# Allegro board pc051b_toplevel_177.brd (continued)
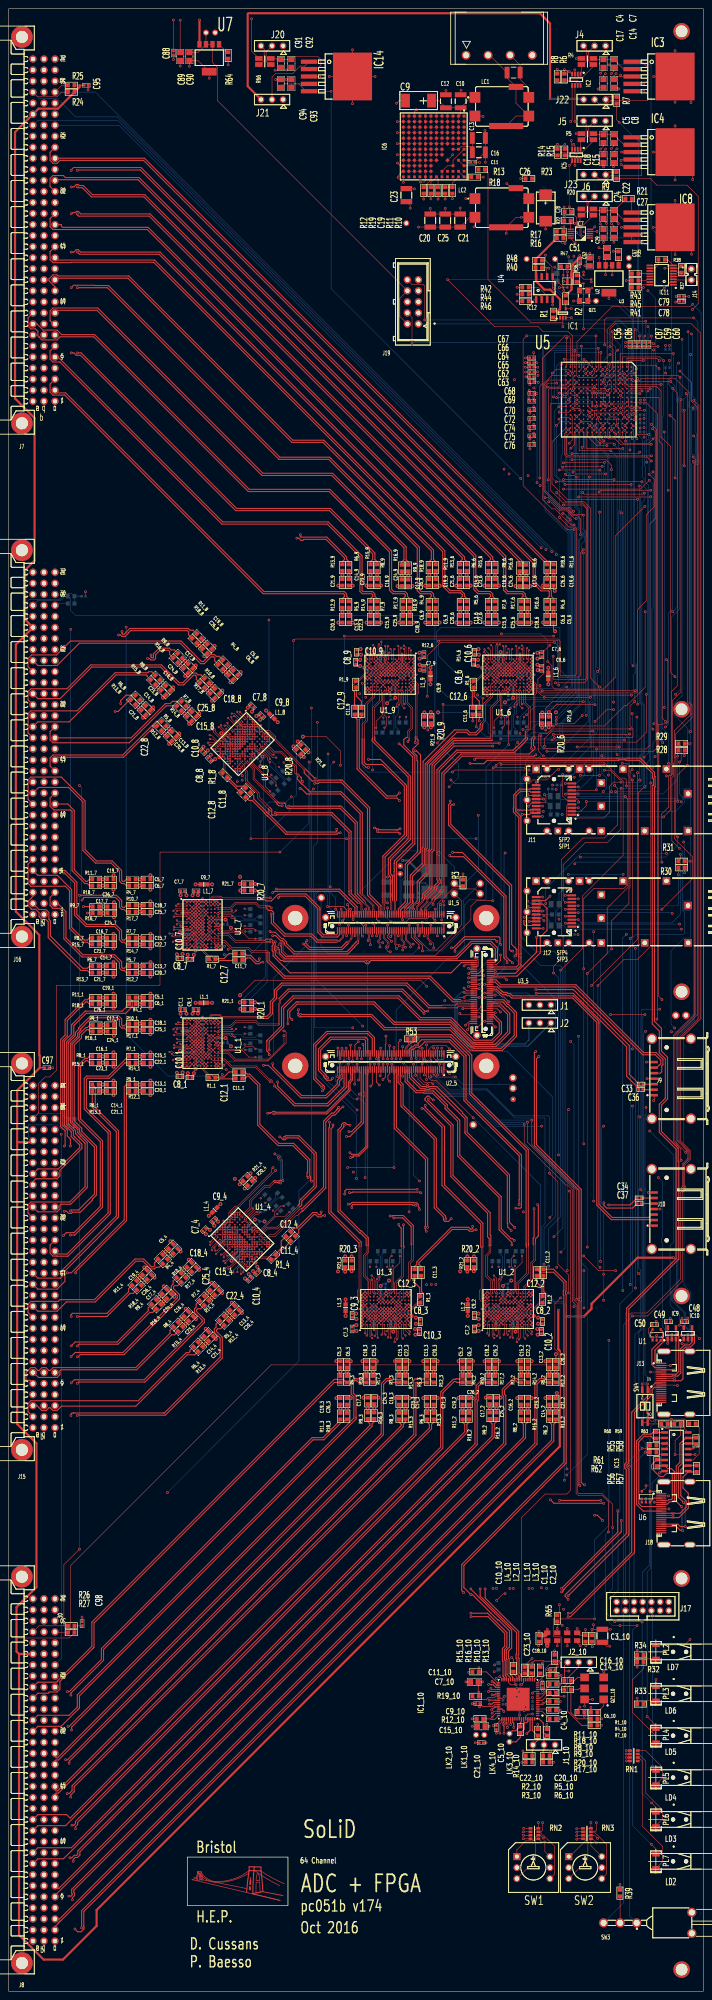
[diagram p0: board, top side]
## Routing (per net, layer and track width the routed paths; a pad name or vN(x,y) marks a point on that pad's centre or on a via; arc(x,y) is an arc through that point) (continued)
TRIG_IN_N: length 14.7
  TOP w0.25: J13.6 153.75,142 154.35,142.6 154.35,150.68 153.7,151.33 IC9.4
TRIG_IN_P: length 10.3
  TOP w0.25: IC9.3 153.7,143.36 153.45,143.11 152.88,143.11 152.78,143 J13.4
UNNAMED_1_LTM9007_I6_DCOA_1: length 11.2
  TOP w0.13: U1_1.G7 v2(46.25,218.95)
  L3 w0.13: v2(46.25,218.95) 46.7,218.5 47.23,218.5 49.38,220.65 54.05,220.65 v2(54.35,220.35)
  BOTTOM w0.13: R23_1.2 54.4,220.3 v2(54.35,220.35)
UNNAMED_1_LTM9007_I6_DCOA_1_1: length 10.4
  TOP w0.13: U1_1.G8 v2(47.05,218.95)
  L3 w0.13: v2(47.05,218.95) 49.1,221 53.51,221 v2(54.35,221.85)
  BOTTOM w0.13: v2(54.35,221.85) 54.4,221.8 R23_1.1
UNNAMED_1_LTM9007_I6_DCOA_1_2: length 10.4
  TOP w0.13: U1_2.G8 v2(114.25,159.4)
  L3 w0.13: v2(111.35,166.7) 112.19,165.85 112.19,161.46 v2(114.25,159.4)
  BOTTOM w0.13: R23_2.1 111.4,166.75 v2(111.35,166.7)
UNNAMED_1_LTM9007_I6_DCOA_1_3: length 10.4
  TOP w0.13: U1_3.G8 v2(86.1,159.4)
  L3 w0.13: v2(86.1,159.4) 84.05,161.46 84.05,165.85 v2(83.2,166.7)
  BOTTOM w0.13: R23_3.1 83.25,166.75 v2(83.2,166.7)
UNNAMED_1_LTM9007_I6_DCOA_1_4: length 10.4
  TOP w0.13: U1_4.G8 v2(54.93,175.26)
  L3 w0.13: v2(58.04,182.48) 58.04,181.28 54.93,178.17 v2(54.93,175.26)
  BOTTOM w0.13: v2(58.04,182.48) 58.93,183.36 R23_4.1
UNNAMED_1_LTM9007_I6_DCOA_1_6: length 10.4
  TOP w0.13: U1_6.G8 v2(115.8,300.55)
  L3 w0.13: v2(118.7,293.25) 117.86,294.1 117.86,298.5 v2(115.8,300.55)
  BOTTOM w0.13: v2(118.7,293.25) 118.65,293.2 R23_6.1
UNNAMED_1_LTM9007_I6_DCOA_1_7: length 10.4
  TOP w0.13: U1_7.G8 v2(47.05,246.2)
  L3 w0.13: v2(47.05,246.2) 49.1,248.25 53.51,248.25 v2(54.35,249.1)
  BOTTOM w0.13: R23_7.1 54.4,249.05 v2(54.35,249.1)
UNNAMED_1_LTM9007_I6_DCOA_1_8: length 10.4
  TOP w0.13: U1_8.G8 v2(56.11,285.87)
  L3 w0.13: v2(63.33,282.76) 62.13,282.76 59.02,285.87 v2(56.11,285.87)
  BOTTOM w0.13: v2(63.33,282.76) 63.33,282.69 R23_8.1
UNNAMED_1_LTM9007_I6_DCOA_1_9: length 10.4
  TOP w0.13: U1_9.G8 v2(88.65,300.55)
  L3 w0.13: v2(88.65,300.55) 90.7,298.5 90.7,294.1 v2(91.55,293.25)
  BOTTOM w0.13: v2(91.55,293.25) 91.5,293.2 R23_9.1
UNNAMED_1_LTM9007_I6_DCOA_2: length 11.2
  TOP w0.13: U1_2.G7 v2(114.25,158.6)
  L3 w0.13: v2(112.85,166.7) 112.55,166.4 112.55,161.73 114.69,159.58 114.69,159.04 v2(114.25,158.6)
  BOTTOM w0.13: R23_2.2 112.9,166.75 v2(112.85,166.7)
UNNAMED_1_LTM9007_I6_DCOA_3: length 11.2
  TOP w0.13: U1_3.G7 v2(86.1,158.6)
  L3 w0.13: v2(86.1,158.6) 86.55,159.04 86.55,159.58 84.4,161.73 84.4,166.4 v2(84.7,166.7)
  BOTTOM w0.13: v2(84.7,166.7) 84.75,166.75 R23_3.2
UNNAMED_1_LTM9007_I6_DCOA_4: length 11.2
  TOP w0.13: U1_4.G7 v2(54.37,174.7)
  L3 w0.13: v2(54.37,174.7) 54.99,174.7 55.38,175.08 55.38,178.11 58.68,181.41 v2(59.1,181.41)
  BOTTOM w0.13: R23_4.2 59.17,181.41 v2(59.1,181.41)
UNNAMED_1_LTM9007_I6_DCOA_6: length 11.2
  TOP w0.13: U1_6.G7 v2(115.8,301.35)
  L3 w0.13: v2(115.8,301.35) 115.36,300.9 115.36,300.37 117.5,298.22 117.5,293.55 v2(117.2,293.25)
  BOTTOM w0.13: R23_6.2 117.15,293.2 v2(117.2,293.25)
UNNAMED_1_LTM9007_I6_DCOA_7: length 11.2
  TOP w0.13: U1_7.G7 v2(46.25,246.2)
  L3 w0.13: v2(46.25,246.2) 46.7,245.75 47.23,245.75 49.38,247.9 54.05,247.9 v2(54.35,247.6)
  BOTTOM w0.13: R23_7.2 54.4,247.55 v2(54.35,247.6)
UNNAMED_1_LTM9007_I6_DCOA_8: length 11.2
  TOP w0.13: U1_8.G7 v2(55.55,286.43)
  L3 w0.13: v2(55.55,286.43) 55.55,285.81 55.93,285.42 58.96,285.42 62.26,282.12 v2(62.26,281.7)
  BOTTOM w0.13: v2(62.26,281.7) 62.66,281.3 62.66,281.23 R23_8.2
UNNAMED_1_LTM9007_I6_DCOA_9: length 11.2
  TOP w0.13: U1_9.G7 v2(88.65,301.35)
  L3 w0.13: v2(88.65,301.35) 88.2,300.9 88.2,300.37 90.35,298.22 90.35,293.55 v2(90.05,293.25)
  BOTTOM w0.13: v2(90.05,293.25) 90,293.2 R23_9.2
UNNAMED_1_LTM9007_I6_DCOB_1: length 11.6
  TOP w0.13: U1_1.F9 47.85,219.75 48.51,219.75 49.21,220.45 51.25,220.45 v2(51.55,220.15)
  BOTTOM w0.13: R25_1.2 57.26,220 56.7,219.45 54.25,219.45 53.55,220.15 v2(51.55,220.15)
UNNAMED_1_LTM9007_I6_DCOB_1_1: length 10.6
  TOP w0.13: v2(52.05,219.65) 51.35,219.65 50.93,220.07 49.37,220.07 48.65,219.35 U1_1.F10
  BOTTOM w0.13: R25_1.1 57.9,218.5 57.35,219.05 52.65,219.05 v2(52.05,219.65)
UNNAMED_1_LTM9007_I6_DCOB_1_2: length 10.6
  TOP w0.13: U1_2.F10 113.85,161 113.13,161.72 113.13,163.28 113.55,163.7 v2(113.55,164.4)
  BOTTOM w0.13: v2(113.55,164.4) 114.15,165 114.15,169.7 114.7,170.25 R25_2.1
UNNAMED_1_LTM9007_I6_DCOB_1_3: length 10.6
  TOP w0.13: U1_3.F10 85.7,161 84.98,161.72 84.98,163.28 85.4,163.7 v2(85.4,164.4)
  BOTTOM w0.13: R25_3.1 86.55,170.25 86,169.7 86,165 v2(85.4,164.4)
UNNAMED_1_LTM9007_I6_DCOB_1_4: length 10.6
  TOP w0.13: v2(57.97,179.29) 57.48,178.8 56.88,178.8 55.78,177.69 55.78,176.67 U1_4.F10
  BOTTOM w0.13: v2(57.97,179.29) 58.82,179.29 62.18,182.65 62.96,182.65
UNNAMED_1_LTM9007_I6_DCOB_1_6: length 10.6
  TOP w0.13: v2(116.5,295.55) 116.5,296.25 116.92,296.67 116.92,298.24 116.2,298.95 U1_6.F10
  BOTTOM w0.13: v2(116.5,295.55) 116.5,294.05 115.9,293.45 115.9,290.25 115.35,289.7 R25_6.1
UNNAMED_1_LTM9007_I6_DCOB_1_7: length 10.6
  TOP w0.13: U1_7.F10 48.65,246.6 49.37,247.32 50.93,247.32 51.35,246.9 v2(52.05,246.9)
  BOTTOM w0.13: v2(52.05,246.9) 52.65,246.3 57.35,246.3 57.9,245.75 R25_7.1
UNNAMED_1_LTM9007_I6_DCOB_1_8: length 10.6
  TOP w0.13: U1_8.F10 57.52,285.02 58.54,285.02 59.65,283.92 59.65,283.32 v2(60.14,282.83)
  BOTTOM w0.13: v2(60.14,282.83) 60.14,281.98 63.5,278.62 63.5,277.84
UNNAMED_1_LTM9007_I6_DCOB_1_9: length 10.6
  TOP w0.13: v2(89.35,295.55) 89.35,296.25 89.77,296.67 89.77,298.24 89.05,298.95 U1_9.F10
  BOTTOM w0.13: R25_9.1 88.2,289.7 88.75,290.25 88.75,294.95 v2(89.35,295.55)
UNNAMED_1_LTM9007_I6_DCOB_2: length 11.6
  TOP w0.13: v2(113.05,163.9) 112.75,163.6 112.75,161.56 113.45,160.86 113.45,160.2 U1_2.F9
  BOTTOM w0.13: R25_2.2 113.2,169.6 113.75,169.06 113.75,166.6 113.05,165.9 v2(113.05,163.9)
UNNAMED_1_LTM9007_I6_DCOB_3: length 11.6
  TOP w0.13: v2(84.9,163.9) 84.6,163.6 84.6,161.56 85.3,160.86 85.3,160.2 U1_3.F9
  BOTTOM w0.13: R25_3.2 85.05,169.6 85.6,169.06 85.6,166.6 84.9,165.9 v2(84.9,163.9)
UNNAMED_1_LTM9007_I6_DCOB_4: length 11.6
  TOP w0.13: v2(57.26,179.29) 56.84,179.29 55.4,177.85 55.4,176.86 54.93,176.39 U1_4.F9
  BOTTOM w0.13: v2(57.26,179.29) 58.68,180.71 59.67,180.71 61.4,182.44 61.4,183.22 R25_4.2
UNNAMED_1_LTM9007_I6_DCOB_6: length 11.6
  TOP w0.13: U1_6.F9 116.6,299.75 116.6,299.09 117.3,298.39 117.3,296.35 v2(117,296.05)
  BOTTOM w0.13: R25_6.2 116.85,290.35 116.3,290.89 116.3,293.35 117,294.05 v2(117,296.05)
UNNAMED_1_LTM9007_I6_DCOB_7: length 11.6
  TOP w0.13: U1_7.F9 47.85,247 48.51,247 49.21,247.7 51.25,247.7 v2(51.55,247.4)
  BOTTOM w0.13: v2(51.55,247.4) 53.55,247.4 54.25,246.7 56.7,246.7 57.26,247.25 R25_7.2
UNNAMED_1_LTM9007_I6_DCOB_8: length 11.6
  TOP w0.13: v2(60.14,283.54) 60.14,283.96 58.7,285.4 57.71,285.4 57.24,285.87 U1_8.F9
  BOTTOM w0.13: v2(60.14,283.54) 61.56,282.12 61.56,281.13 63.78,278.9 R25_8.2
UNNAMED_1_LTM9007_I6_DCOB_9: length 11.6
  TOP w0.13: v2(89.85,296.05) 90.15,296.35 90.15,298.39 89.45,299.09 89.45,299.75 U1_9.F9
  BOTTOM w0.13: v2(89.85,296.05) 89.85,294.05 89.15,293.35 89.15,290.89 89.7,290.35 R25_9.2
UNNAMED_1_LTM9007_I6_FRA_1: length 10.5
  TOP w0.13: U1_1.H7 v2(46.25,217.35)
  L3 w0.13: v2(54.5,216.6) 54.19,216.29 48.58,216.29 47.51,217.35 v2(46.25,217.35)
  BOTTOM w0.13: v2(54.5,216.6) R22_1.1
UNNAMED_1_LTM9007_I6_FRA_1_1: length 11.1
  TOP w0.13: U1_1.H8 v2(46.25,218.15)
  L3 w0.13: v2(46.25,218.15) 46.67,217.73 47.67,217.73 48.45,216.95 50.65,216.95 50.85,216.75 53.25,216.75 v2(54.35,217.85)
  BOTTOM w0.13: v2(54.35,217.85) 55.4,217.85 R22_1.2
UNNAMED_1_LTM9007_I6_FRA_1_2: length 11.1
  TOP w0.13: U1_2.H8 v2(115.05,158.6)
  L3 w0.13: v2(115.05,158.6) 115.47,159.02 115.47,160.02 116.45,161 116.45,165.6 v2(115.35,166.7)
  BOTTOM w0.13: v2(115.35,166.7) 115.35,167.75 R22_2.2
UNNAMED_1_LTM9007_I6_FRA_1_3: length 11.1
  TOP w0.13: U1_3.H8 v2(86.9,158.6)
  L3 w0.13: v2(87.2,166.7) 88.3,165.6 88.3,161 87.32,160.02 87.32,159.02 v2(86.9,158.6)
  BOTTOM w0.13: v2(87.2,166.7) 87.2,167.75 R22_3.2
UNNAMED_1_LTM9007_I6_FRA_1_4: length 11.1
  TOP w0.13: U1_4.H8 v2(54.93,174.13)
  L3 w0.13: v2(54.93,174.13) 55.53,174.13 56.23,174.84 57.62,174.84 60.87,178.09 v2(60.87,179.65)
  BOTTOM w0.13: R22_4.2 61.61,180.39 v2(60.87,179.65)
UNNAMED_1_LTM9007_I6_FRA_1_6: length 11.1
  TOP w0.13: U1_6.H8 v2(115,301.35)
  L3 w0.13: v2(115,301.35) 114.58,300.93 114.58,299.93 113.6,298.95 113.6,294.35 v2(114.7,293.25)
  BOTTOM w0.13: v2(114.7,293.25) 114.7,292.2 R22_6.2
UNNAMED_1_LTM9007_I6_FRA_1_7: length 11.1
  TOP w0.13: U1_7.H8 v2(46.25,245.4)
  L3 w0.13: v2(54.35,245.1) 53.25,244 48.65,244 47.67,244.98 46.67,244.98 v2(46.25,245.4)
  BOTTOM w0.13: v2(54.35,245.1) 55.4,245.1 R22_7.2
UNNAMED_1_LTM9007_I6_FRA_1_8: length 11.1
  TOP w0.13: U1_8.H8 v2(54.98,285.87)
  L3 w0.13: v2(60.5,279.93) 58.94,279.93 55.69,283.18 55.69,284.57 54.98,285.27 v2(54.98,285.87)
  BOTTOM w0.13: R22_8.2 61.24,279.19 v2(60.5,279.93)
UNNAMED_1_LTM9007_I6_FRA_1_9: length 11.1
  TOP w0.13: U1_9.H8 v2(87.85,301.35)
  L3 w0.13: v2(87.85,301.35) 87.43,300.93 87.43,299.93 86.45,298.95 86.45,294.35 v2(87.55,293.25)
  BOTTOM w0.13: v2(87.55,293.25) 87.55,292.2 R22_9.2
UNNAMED_1_LTM9007_I6_FRA_2: length 10.5
  TOP w0.13: U1_2.H7 v2(115.85,158.6)
  L3 w0.13: v2(115.85,158.6) 115.85,159.86 116.91,160.93 116.91,166.54 v2(116.6,166.85)
  BOTTOM w0.13: v2(116.6,166.85) R22_2.1
UNNAMED_1_LTM9007_I6_FRA_3: length 10.5
  TOP w0.13: U1_3.H7 v2(87.7,158.6)
  L3 w0.13: v2(88.45,166.85) 88.76,166.54 88.76,160.93 87.7,159.86 v2(87.7,158.6)
  BOTTOM w0.13: v2(88.45,166.85) R22_3.1
UNNAMED_1_LTM9007_I6_FRA_4: length 10.5
  TOP w0.13: U1_4.H7 v2(55.5,173.57)
  L3 w0.13: v2(61.86,178.87) 61.86,178.42 57.9,174.46 56.39,174.46 v2(55.5,173.57)
  BOTTOM w0.13: v2(61.86,178.87) R22_4.1
UNNAMED_1_LTM9007_I6_FRA_6: length 10.5
  TOP w0.13: U1_6.H7 v2(114.2,301.35)
  L3 w0.13: v2(114.2,301.35) 114.2,300.09 113.14,299.02 113.14,293.41 v2(113.45,293.1)
  BOTTOM w0.13: v2(113.45,293.1) R22_6.1
UNNAMED_1_LTM9007_I6_FRA_7: length 10.5
  TOP w0.13: U1_7.H7 v2(46.25,244.6)
  L3 w0.13: v2(54.5,243.85) 54.19,243.54 48.58,243.54 47.51,244.6 v2(46.25,244.6)
  BOTTOM w0.13: v2(54.5,243.85) R22_7.1
UNNAMED_1_LTM9007_I6_FRA_8: length 10.5
  TOP w0.13: U1_8.H7 v2(54.42,285.3)
  L3 w0.13: v2(54.42,285.3) 55.31,284.41 55.31,282.9 59.27,278.94 v2(59.72,278.94)
  BOTTOM w0.13: v2(59.72,278.94) R22_8.1
UNNAMED_1_LTM9007_I6_FRA_9: length 10.5
  TOP w0.13: U1_9.H7 v2(87.05,301.35)
  L3 w0.13: v2(87.05,301.35) 87.05,300.09 85.99,299.02 85.99,293.41 v2(86.3,293.1)
  BOTTOM w0.13: v2(86.3,293.1) R22_9.1
UNNAMED_1_LTM9007_I6_FRB_1: length 11.6
  TOP w0.13: v2(56.85,216.85) 56.35,217.35 54.45,217.35 53.85,216.75 49.01,216.75 48.41,217.34 47.84,217.34 U1_1.J9
  BOTTOM w0.13: R24_1.1 57.5,216.85 v2(56.85,216.85)
UNNAMED_1_LTM9007_I6_FRB_1_1: length 10.5
  TOP w0.13: U1_1.J10 48.75,216.45 53.85,216.45 55.35,214.95 v2(56.85,214.95)
  BOTTOM w0.13: R24_1.2 57.9,214.95 v2(56.85,214.95)
UNNAMED_1_LTM9007_I6_FRB_1_2: length 10.5
  TOP w0.13: v2(118.25,169.2) 118.25,167.7 116.75,166.2 116.75,161.1 U1_2.J10
  BOTTOM w0.13: v2(118.25,169.2) 118.25,170.25 R24_2.2
UNNAMED_1_LTM9007_I6_FRB_1_3: length 10.5
  TOP w0.13: U1_3.J10 88.6,161.1 88.6,166.2 90.1,167.7 v2(90.1,169.2)
  BOTTOM w0.13: R24_3.2 90.1,170.25 v2(90.1,169.2)
UNNAMED_1_LTM9007_I6_FRB_1_4: length 10.5
  TOP w0.13: v2(64.69,179.36) 63.63,178.3 61.51,178.3 57.9,174.7 U1_4.J10
  BOTTOM w0.13: v2(64.69,179.36) 65.43,180.11 R24_4.2
UNNAMED_1_LTM9007_I6_FRB_1_6: length 10.5
  TOP w0.13: U1_6.J10 113.3,298.85 113.3,293.75 111.8,292.25 v2(111.8,290.75)
  BOTTOM w0.13: v2(111.8,290.75) 111.8,289.7 R24_6.2
UNNAMED_1_LTM9007_I6_FRB_1_7: length 10.5
  TOP w0.13: v2(56.85,242.2) 55.35,242.2 53.85,243.7 48.75,243.7 U1_7.J10
  BOTTOM w0.13: v2(56.85,242.2) 57.9,242.2 R24_7.2
UNNAMED_1_LTM9007_I6_FRB_1_8: length 10.5
  TOP w0.13: U1_8.J10 55.55,282.9 59.15,279.29 59.15,277.17 v2(60.21,276.11)
  BOTTOM w0.13: v2(60.21,276.11) 60.96,275.37
  BOTTOM w0.25: R24_8.2 60.96,275.37
UNNAMED_1_LTM9007_I6_FRB_1_9: length 10.5
  TOP w0.13: U1_9.J10 86.15,298.85 86.15,293.75 84.65,292.25 v2(84.65,290.75)
  BOTTOM w0.13: R24_9.2 84.65,289.7 v2(84.65,290.75)
UNNAMED_1_LTM9007_I6_FRB_2: length 11.6
  TOP w0.13: U1_2.J9 115.86,160.19 115.86,160.76 116.45,161.36 116.45,166.2 115.85,166.8 115.85,168.7 v2(116.35,169.2)
  BOTTOM w0.13: v2(116.35,169.2) 116.35,169.85 R24_2.1
UNNAMED_1_LTM9007_I6_FRB_3: length 11.6
  TOP w0.13: v2(88.2,169.2) 87.7,168.7 87.7,166.8 88.3,166.2 88.3,161.36 87.7,160.76 87.7,160.19 U1_3.J9
  BOTTOM w0.13: R24_3.1 88.2,169.85 v2(88.2,169.2)
UNNAMED_1_LTM9007_I6_FRB_4: length 11.6
  TOP w0.13: v2(63.35,180.71) 62.64,180.71 61.3,179.36 61.3,178.52 57.87,175.09 57.03,175.09 56.63,174.69 U1_4.J9
  BOTTOM w0.13: v2(63.35,180.71) 63.81,181.17 R24_4.1
UNNAMED_1_LTM9007_I6_FRB_6: length 11.6
  TOP w0.13: U1_6.J9 114.19,299.75 114.19,299.19 113.6,298.59 113.6,293.75 114.2,293.15 114.2,291.25 v2(113.7,290.75)
  BOTTOM w0.13: R24_6.1 113.7,290.1 v2(113.7,290.75)
UNNAMED_1_LTM9007_I6_FRB_7: length 11.6
  TOP w0.13: U1_7.J9 47.84,244.59 48.41,244.59 49.01,244 53.85,244 54.45,244.6 56.35,244.6 v2(56.85,244.1)
  BOTTOM w0.13: R24_7.1 57.5,244.1 v2(56.85,244.1)
UNNAMED_1_LTM9007_I6_FRB_8: length 11.6
  TOP w0.13: v2(61.56,277.45) 61.56,278.16 60.21,279.5 59.37,279.5 55.94,282.93 55.94,283.77 55.54,284.17 U1_8.J9
  BOTTOM w0.13: v2(61.56,277.45) 62.02,276.99 R24_8.1
UNNAMED_1_LTM9007_I6_FRB_9: length 11.6
  TOP w0.13: v2(86.55,290.75) 87.05,291.25 87.05,293.15 86.45,293.75 86.45,298.59 87.05,299.19 87.05,299.75 U1_9.J9
  BOTTOM w0.13: v2(86.55,290.75) 86.55,290.1 R24_9.1
UNNAMED_2_CAPCERSMDCL2_I261_B: length 16.5
  TOP w0.13: IC14.2 69.35,442.45 71.16,442.45 71.9,443.19 71.9,444.5 71.25,445.15 65.85,445.15 65.2,444.5 C92.2 C91.2 61.81,444.5 61.56,444.75 R66.2
UNNAMED_2_CON3P_I232_A: length 17.7
  TOP w0.18: U3_5.31 v1(109.62,229.7)
  BOTTOM w0.13: J1.1 123.91,227.94 121.36,227.94 119.6,229.7 v1(109.62,229.7)
UNNAMED_2_CON3P_I232_A_1: length 9.9
  TOP w0.18: U3_5.33 v1(112.08,229.2)
  BOTTOM w0.13: J1.3 117.57,229.2 v1(112.08,229.2)
UNNAMED_2_CON3P_I258_A: length 5.3
  TOP w0.13: R66.3 57.92,443.35 58.85,444.28 58.85,446.92 J20.3
UNNAMED_2_CON3P_I258_A_1: length 5.5
  TOP w0.13: R66.4 60.08,443.35 59.31,444.12 59.31,446.3 J20.2
UNNAMED_2_CON3P_I274_A: length 15.2
  TOP w0.13: J21.2 60.66,440.46 61.45,441.25 65.4,441.25 67.14,442.99 68.19,442.99 IC14.1
UNNAMED_3_CAPCERSMDCL1_I104_A: length 5.4
  TOP w0.13: C19.1 98.9,417.15 IC6.F12 97.25,416.23 R19.2
UNNAMED_3_CAPCERSMDCL2_I44_B_10: length 17.8
  TOP w0.17: 130.16,71.36 128.75,69.95 128.75,64.43 131.98,61.2 R7_10.2 ; 130.16,71.36 130.02,71.5 C16_10.2 ; 130.16,71.36 131.04,72.24 QZ1_10.4
UNNAMED_3_CAPCERSMDCL2_I45_B_10: length 13.7
  TOP w0.17: R4_10.2 130.95,62.7 129.5,64.15 C14_10.2 131.14,69.4 131.44,69.7 QZ1_10.5
UNNAMED_3_CAPCERSMDCL2_I57_B: length 9.9
  TOP w0.13: R5.2 134.93,427.2 C5.2 C8.2 141.7,424.9 IC4.2
UNNAMED_3_CAPCERSMDCL2_I119_<0>: length 48.5
  TOP w0.13: IC6.B5 104.12,426.4 ; IC6.B5 103.11,426.4 ; IC6.B5 103.61,426.91 ; IC6.B5 103.61,425.9 ; IC6.C2 102.34,430.72 ; IC6.C2 102.34,429.71 ; IC6.C2 101.84,430.21 ; IC6.C2 102.85,430.21 ; IC6.A3 104.89,429.45 ; IC6.A3 104.38,428.94 ; IC6.A3 104.89,428.44 ; IC6.A3 105.39,428.94 ; IC6.C3 102.85,428.94 ; IC6.C3 102.34,429.45 ; IC6.C3 102.34,428.44 ; IC6.C3 101.84,428.94 ; 103.11,431.49 IC6.B1 ; IC6.B1 104.12,431.49 ; IC6.B1 103.61,431.99 ; IC6.B1 104.1,431.97 C10.2 ; IC6.B1 103.61,430.98 ; IC6.B3 103.11,428.94 ; IC6.B3 104.12,428.94 ; IC6.B3 103.61,428.44 ; IC6.B3 103.61,429.45 ; IC6.C1 102.34,431.99 ; IC6.C1 101.84,431.49 ; IC6.C1 102.85,431.49 ; IC6.C1 102.34,430.98 ; IC6.A1 104.38,431.49 ; IC6.A1 104.89,430.98 ; IC6.A1 105.39,431.49 ; IC6.A1 104.89,431.99 ; IC6.B2 103.61,430.72 ; IC6.B2 104.12,430.21 ; IC6.B2 103.61,429.71 ; IC6.B2 103.11,430.21 ; IC6.B6 103.11,425.13 ; IC6.B6 104.12,425.13 ; IC6.B6 103.61,425.64 ; IC6.A4 105.39,427.68 ; IC6.A4 104.38,427.68 ; IC6.A4 104.89,428.18 ; IC6.A4 104.89,427.17 ; 103.61,427.17 IC6.B4 ; IC6.B4 103.61,428.18 ; IC6.B4 103.11,427.68 ; IC6.B4 104.12,427.68 ; IC6.C4 101.84,427.68 ; IC6.C4 102.34,427.17 ; IC6.C4 102.34,428.18 ; IC6.C4 102.85,427.68 ; IC6.C6 102.85,425.13 ; IC6.C6 101.84,425.13 ; IC6.C6 102.34,425.64 ; IC6.A6 105.39,425.13 ; IC6.A6 104.89,425.64 ; IC6.A6 104.38,425.13 ; C10.2 106.5,435.8 LC1.1 ; C10.2 C12.2 99.05,435.05 C9.1 ; IC6.A5 104.89,426.91 ; IC6.A5 104.38,426.4 ; IC6.A5 104.89,425.9 ; IC6.A5 105.39,426.4 ; IC6.A2 105.39,430.21 ; IC6.A2 104.89,430.72 ; IC6.A2 104.89,429.71 ; IC6.A2 104.38,430.21 ; IC6.C5 102.34,426.91 ; IC6.C5 102.34,425.9 ; IC6.C5 101.84,426.4 ; IC6.C5 102.85,426.4
UNNAMED_3_CAPCERSMDCL2_I122_B: length 1.7
  TOP w0.13: IC6.A9 106.03,421.32 C11.2
UNNAMED_3_CAPCERSMDCL2_I125_<0>: length 8
  TOP w0.13: 106.8,424.5 104.25,424.5 IC6.B7 IC6.C7 ; 106.8,424.5 C13.2 ; 106.8,424.5 C16.2
UNNAMED_3_CAPCERSMDCL2_I133_B: length 11.5
  TOP w0.13: LC1.2 119.8,437.92 117.8,439.92 C6.2 117.8,443.21 J3.3
UNNAMED_3_CAPCERSMDCL2_I134_B: length 9.8
  TOP w0.13: R4.2 134.93,444.5 C4.2 C7.2 141.6,442.3 IC3.2
UNNAMED_3_CON3P_I83_A: length 13.4
  TOP w0.13: IC7.2 132.1,403.95 131.85,404.2 131.85,405.88 R20.4 134.38,408.7 133.46,409.62 133.46,411.5 J6.2
UNNAMED_3_CON3P_I83_A_1: length 12.6
  TOP w0.13: IC7.1 132.23,403.45 131.59,404.09 131.59,408.37 R20.3 132.22,408.7 133.2,409.68 133.2,412.22 J6.3
UNNAMED_3_CON3P_I173_A: length 2.8
  TOP w0.13: J22.1 138.1,435.9 R7.2
UNNAMED_3_CON3P_I174_A: length 21.9
  TOP w0.13: J23.2 135.95,417.01 137.91,417.01 138.65,417.75 145.72,417.75 145.77,417.8 145.77,425.3 144.47,426.6 IC4.1
UNNAMED_3_CON3P_I174_A_1: length 2.7
  TOP w0.13: R9.2 138.1,418.6 J23.1
UNNAMED_3_INA219_I143_A0: length 5.7
  TOP w0.13: IC2.7 131.07,438.95 130.57,439.45 128.92,439.45 128.58,439.11 126.99,439.11 R8.2
UNNAMED_3_INA219_I143_A1: length 4.5
  TOP w0.13: R6.2 130.92,439.75 131.72,438.95 IC2.8
UNNAMED_3_INA219_I148_A0: length 3.7
  TOP w0.13: IC5.7 131.07,421.65 130.27,422.45 R15.1
UNNAMED_3_INA219_I148_A1: length 6.6
  TOP w0.13: R14.2 126.65,422.45 127.3,423.1 130.27,423.1 131.72,421.65 IC5.8
UNNAMED_3_LT1764A_I84_IN: length 13.6
  TOP w0.13: R20.2 135.03,409.75 C24.2 C22.2 ; C22.2 142.05,412.35 R21.1 ; C22.2 141.6,407.6 IC8.2
UNNAMED_3_LT1764A_I84_SHDN: length 3.2
  TOP w0.13: R21.2 143.5,412.4 IC8.1
UNNAMED_3_LT1764A_I92_SHDN: length 24.7
  TOP w0.13: J22.2 135.95,434.31 137.91,434.31 138.65,435.05 147.07,435.05 147.12,435.1 147.12,442.73 145.85,444 IC3.1
UNNAMED_3_LTC2990_I147_ADR0: length 2
  TOP w0.13: R17.1 128.25,404.45 IC7.8
UNNAMED_3_LTC2990_I147_ADR1: length 2
  TOP w0.13: R16.1 128.3,403.95 IC7.9
UNNAMED_3_LTM4606_I115_DRVCC<0>: length 9.2
  TOP w0.13: IC6.A7 102.34,421.32 IC6.C10 101.08,420.06 IC6.E11 IC6.E12
UNNAMED_3_LTM4606_I115_FSET: length 4.6
  TOP w0.13: R11.1 R10.2 102.2,416.1 IC6.B12
UNNAMED_3_LTM4606_I115_MPGM1: length 3.5
  TOP w0.13: IC6.B11 IC6.A12 104.95,417.45 R18.2
UNNAMED_3_LTM4606_I115_PGOOD: length 3.1
  TOP w0.13: IC6.G12 97.27,416.81 R12.2
UNNAMED_3_LTM4606_I115_RUN1: length 5.5
  TOP w0.13: R13.2 107.34,420.06 IC6.A10 IC6.B9
UNNAMED_3_OSC6PENDISOUTPOUTN_10: length 3.6
  TOP w0.17: QZ1_10.1 137.05,65.7 135.6,64.25 R1_10.1
UNNAMED_3_RSMD0603_I57_B_10: length 6.7
  TOP w0.17: IC1_10.39 112.24,67.95 111.85,67.56 110.42,67.56 110.01,67.16 107.55,67.16 R19_10.2
UNNAMED_3_RSMD0603_I58_B_10: length 4.1
  TOP w0.17: R18_10.2 124.6,70.46 123.58,69.44 123.58,69.03 123,68.45 IC1_10.11
UNNAMED_3_RSMD0603_I60_B_10: length 4
  TOP w0.17: IC1_10.48 111.94,62.54 111.12,62.54 110.96,62.7 R12_10.2
UNNAMED_3_RSMD0603_I62_B_10: length 2.2
  TOP w0.17: R15_10.2 116.25,73.1 117.1,72.25 IC1_10.25
UNNAMED_3_RSMD0603_I64_B_10: length 3.5
  TOP w0.17: IC1_10.3 122.85,64.45 R17_10.2
UNNAMED_3_RSMD0603_I65_B_10: length 2.9
  TOP w0.17: R20_10.2 123.94,64.7 123.69,64.95 IC1_10.4
UNNAMED_3_RSMD0603_I68_B_10: length 2.1
  TOP w0.17: R16_10.2 119.05,73.15 120.1,72.1 IC1_10.19
UNNAMED_3_RSMD0603_I69_B_10: length 2
  TOP w0.17: IC1_10.17 121.1,71.8 R13_10.2
UNNAMED_5_LP38692_I130_EN: length 2.8
  TOP w0.13: U7.1 50.25,446.2 R64.1
UNNAMED_7_CAPCERSMDCL2_I3_A: length 3
  TOP w0.25: J10.6 146.21,182.54 146.2,182.55 C34.1
UNNAMED_7_CAPCERSMDCL2_I5_A: length 3
  TOP w0.25: C37.1 146.2,181.25 146.22,181.27 J10.5
UNNAMED_7_CAPCERSMDCL2_I11_A: length 2.6
  TOP w0.25: C33.1 146.65,208.75 146.67,208.73 J9.3
UNNAMED_7_CAPCERSMDCL2_I12_A: length 2.7
  TOP w0.25: C36.1 146.6,207.5 146.64,207.46 J9.2
UNNAMED_7_CAPCERSMDCL2_I16_B: length 10.6
  TOP w0.13: v1(123.4,275.35) 123.75,275 123.75,273.66 123.62,273.53 J11.16
  TOP w0.18: J11.16 120.53,273.53 v1(119.7,272.7)
  BOTTOM w0.13: v1(123.4,275.35) 123.5,275.45 124.3,275.45 ; v1(119.7,272.7) 120.55,271.85 C41.2 ; C39.2 124.3,275.45 ; 124.3,275.45 L4.1
UNNAMED_7_CAPCERSMDCL2_I17_B: length 12.7
  TOP w0.18: J11.15 v1(123.2,274.33)
  BOTTOM w0.13: v1(123.2,274.33) 122.05,275.48 C32.2 ; v1(123.2,274.33) 122.02,274.33 C35.2 ; v1(123.2,274.33) 123.2,274.3 L2.2 124.75,271.59 124.85,271.49 C38.2
UNNAMED_7_CAPCERSMDCL2_I27_B: length 8.5
  TOP w0.13: v1(123.3,247.5) 123.02,247.78 J12.16
  BOTTOM w0.13: v1(123.3,247.5) 123.6,247.8 C47.2 ; v1(123.3,247.5) 124.95,245.85 L5.1 ; v1(123.3,247.5) 122.5,246.7 C46.2
UNNAMED_7_CAPCERSMDCL2_I31_B: length 8.5
  TOP w0.18: J12.15 v1(122.98,248.58)
  BOTTOM w0.13: v1(122.98,248.58) 122.15,247.75 C44.2 C43.2 ; v1(122.98,248.58) 123.38,248.58 L3.2 ; v1(122.98,248.58) 122.4,249.16 C45.2
UNNAMED_8_LED_I105_K: length 11.9
  TOP w0.13: RN1.8 146.7,55.4 150.6,51.5 150.6,49.08 LD4.2
UNNAMED_8_LED_I107_K: length 19.7
  TOP w0.13: RN1.7 145.12,54.6 146.75,52.97 146.75,45.6 150.55,41.8 150.55,39.6 149.1,38.15 LD3.2
UNNAMED_8_LED_I108_K: length 28.7
  TOP w0.13: RN1.6 145.12,53.8 146.05,52.87 146.05,37.9 150.65,33.3 150.65,29.85 LD2.2
UNNAMED_8_LED_I285_K: length 3.2
  TOP w0.13: LD7.2 147.15,76.5 R34.2
UNNAMED_8_LED_I288_K: length 3.2
  TOP w0.13: R33.2 147.01,66.86 LD6.2
UNNAMED_8_LED_I293_K: length 21.9
  TOP w0.13: LD5.2 149.1,58.75 143.65,64.2 143.65,71.65 146.25,74.25 R32.2
UNNAMED_11_24AA025E48_I159_A0: length 1.8
  TOP w0.13: R46.1 120.65,388.9 121,389.25 IC12.1
UNNAMED_11_24AA025E48_I159_A1: length 3.8
  TOP w0.13: R44.1 122.02,390.5 122.77,389.75 IC12.2
UNNAMED_11_24AA025E48_I159_A2: length 5.9
  TOP w0.13: R42.1 122.02,392.1 124.03,390.09 IC12.3
UNNAMED_11_CON2P_I154_A: length 4.9
  TOP w0.13: J14.1 155.51,394.58 IC11.4
UNNAMED_11_CON2P_I154_A_1: length 4.2
  TOP w0.13: J14.2 153.27,393.78 IC11.3
UNNAMED_11_LM82_I138_ADD: length 3.5
  TOP w0.13: R38.1 149.65,397.29 148.85,396.49 IC11.10
UNNAMED_11_LM82_I138_ADD_1: length 2
  TOP w0.13: IC11.6 153.74,395.85 154.14,395.45 R37.1
UNNAMED_11_LP38692_I193_EN: length 1.7
  TOP w0.13: U3.1 140.5,398.16 140.45,398.21 R35.1
UNNAMED_11_LP38692SD_I128_EN: length 2.2
  TOP w0.13: R47.1 127.75,396.3 U4.3
UNNAMED_11_RSMD0603_I137_A: length 6.1
  TOP w0.13: R39.1 140.84,21.81 SW3.2
UNNAMED_15_DS90C032_I246_EN: length 11.9
  TOP w0.13: 151.1,124.78 151.2,124.78 152.12,125.7 152.12,129.4 152.07,129.45 151.4,129.45 R60.1 147.49,130.55 SW4.2 SW4.4
UNNAMED_15_DS90C032_I246_EN_1: length 13.8
  TOP w0.13: v1(153.5,123.5) 153.5,126.71 154.8,128.01 R59.2 ; v1(158.1,123.5) 156.51,123.5 IC13.12
  BOTTOM w0.13: v1(153.5,123.5) v1(158.1,123.5)
UNNAMED_15_DS90C032_I246_ROUT: length 2.1
  TOP w0.13: R62.1 149.74,123.52 IC13.5
UNNAMED_15_DS90C032_I246_ROUT_1: length 2.1
  TOP w0.13: IC13.3 149.6,126.06 R61.1
UNNAMED_15_DS90C032_I246_ROUT_2: length 10.4
  TOP w0.13: IC13.11 157.65,122.25 159.05,123.65 159.05,129.75 158.25,130.55 R63.1
VMON2V5A: length 7.4
  TOP w0.13: IC5.1 131.72,425.85 R5.3 132.22,426.05 132.99,426.82 132.99,429.78 J5.3
VMON2V5B: length 11
  TOP w0.13: IC5.2 131.07,423.45 131.42,423.11 132.03,423.11 134.68,425.75 R5.4 134.38,426.05 133.6,426.83 133.6,428.99 J5.2
VMON3V3A: length 7.6
  TOP w0.13: J4.3 133.15,446.92 133.15,444.28 132.22,443.35 R4.3 131.93,441.35 IC2.1
VMON3V3B: length 11.2
  TOP w0.13: J4.2 133.5,446.19 133.5,444.23 134.38,443.35 R4.4 134.68,442.93 132.16,440.41 131.42,440.41 131.07,440.75 IC2.2
XA_10: length 19
  TOP w0.17: 124.6,68.65 R8_10.2 ; 124.6,68.65 125.35,67.9 v1(127.95,67.9) ; 124.6,68.65 122.9,66.95 IC1_10.8 ; J2_10.3 128,74.93 128,73.7 ; v1(129.05,73.7) 128,73.7 ; 128,73.7 C16_10.1
  L3 w0.17: v1(127.95,67.9) 127.95,72.6 v1(129.05,73.7)
XB_10: length 15.5
  TOP w0.17: R8_10.1 126.1,68.75 ; 126.1,68.75 126.75,69.4 C14_10.1 128,70.11 128.75,70.86 128.75,72.1 131.31,74.66 J2_10.2 ; 126.1,68.75 125.41,69.44 124.05,69.44 123.91,69.3 123.91,68.89 122.47,67.45 IC1_10.9

## Copper pours and planes (outline as drawn; the poured copper is in the pictures)
GND_SIGNAL on L2: 0.5,0.5 0.5,455.7 20.4,455.7 20.4,438 127.5,330.9 127.5,302.65 128,302.65 128,334.55 23,439.55 23,455.7 159.5,455.7 159.5,0.5 22.95,0.5 23,0.55 23,18.1 127.6,122.7 127.6,157.3 127.15,157.3 127.15,125.15 20.5,18.5 20.5,0.5 ; 2 cut-outs
P1V8 on L5 (solid shape): outline of 55174 points within 23,0.5 159.5,410.62
P1V8A on L5: 8.4,452.65 9.1,453.8 9.5,454.22 9.5,455.02 11.96,455.02 12.46,455.53 12.67,455.51 12.77,455.7 20.4,455.7 20.4,437.95 127.5,330.85 127.5,285.05 77.21,285.05 57.56,265.4 62.55,265.4 62.55,198.15 53.96,198.15 77.21,174.9 127.15,174.9 127.15,125.15 20.5,18.5 20.5,0.5 0.5,0.5 0.5,455.7 12.39,455.7 0.5,455.7 0.5,450.9 0.58,450.81 0.69,450.86 4.04,452.13 5.55,448.89 5.59,448.77 5.72,448.78 7.92,450.99 7.92,451.24 7.99,451.14 8.1,451.16 8.68,451.75 ; 2 cut-outs
P1V8C on L5: 120.5,354.65 120.75,354.4 122.15,354.4 122.2,354.45 122.2,387.85 125.4,391.05 128.5,391.05 129,391.55 129,392.45 128.9,392.55 128.5,392.55 126.8,394.25 125.45,394.25 120.5,389.3
P2V2 on TOP: 89.8,432.55 89.8,418.15 95.3,418.15 95.3,432.55
P2V2 on L5: 89.15,438 110.5,438 110.5,405 89.15,405
P2V2_FILTERED on TOP: 118.05,411.2 129.3,411.2 130.95,409.55 132.85,409.55 132.85,410.85 130.85,412.85 128.85,412.85 124,417.7 120.8,417.7 119.95,416.85 119.95,415.7 118.15,413.9 118.05,413.9
P2V5 on L5: 147.75,413.05 155.8,413.05 157.8,411.05 157.8,392.4 155.85,390.45 155.85,389.45 155.95,389.35 155.95,263.75 155.9,263.8 153.25,263.8 152.9,263.45 152.9,263.4 113.5,263.4 106.4,256.3 100.6,256.3 97.75,253.45 97.75,218.05 97.2,217.5 97.2,215.8 97.75,215.25 97.75,214.15 97.8,214.1 100.55,214.1 100.65,214.2 100.65,216.65 98.85,218.45 98.85,252.55 99.55,253.25 105.25,253.25 107.88,255.88 107.88,255.82 114.7,262.65 152.85,262.65 153.3,262.2 155.95,262.2 155.95,226.15 156.9,225.2 156.9,223.8 155.95,222.85 155.95,220.55 155.4,220 155.4,218.3 155.95,217.75 155.95,202.7 155.2,201.95 155.2,199.75 155.95,199 155.95,191.3 155.45,190.8 155.45,188 155.95,187.5 155.95,172.35 155,171.4 155,169.5 155.95,168.55 155.95,27.95 158.55,27.95 158.55,199.05 159,199.5 159,201.9 158.55,202.35 158.55,217.7 158.85,218 158.85,220.3 158.55,220.6 158.55,411.2 156,413.75 148.3,413.75 142.2,419.85 142.2,421.15 141.8,421.55 136.25,421.55 136.1,421.4 136.1,419.45 141.35,419.45
P3V3 on L5: 128.5,441.95 159.5,441.95 159.5,23.55 158.75,22.8 139.9,22.8 139.05,23.65 139.05,26.45 138.4,27.1 115.25,27.1 115.2,27.15 115.2,29.6 115.3,29.7 138.35,29.7 139.05,30.4 139.05,47.2 141.3,49.45 141.3,82.35 126.1,82.35 125.45,83 125.45,85.75 127.15,85.75 127.2,85.7 127.2,89.8 150.7,89.8 150.7,148.75 147.9,148.75 147.65,149 147.65,150.45 147.9,150.7 152.6,150.7 152.6,235.8 153.05,236.25 154.55,236.25 154.55,290.45 152.2,292.8 152.2,296.6 154.9,299.3 154.9,406.45 150.6,410.75 139.45,410.75 134.3,405.6 134.3,401.8 125.7,401.8 125.7,439.15
P3V3C on L5: 136.75,396.4 134.55,394.2 132.75,394.2 132.65,394.1 132.65,380 128.1,375.45 128.1,358.4 137.2,358.4 137.2,296.9 100.15,259.85 100.15,259.45 90.85,250.15 90.85,204.75 122.9,172.7 123.25,173.05 140.15,173.05 142.75,170.45 142.75,143.3 143.85,142.2 143.9,142.2 144.9,141.2 144.9,111.35 147.75,111.35 147.75,141.25 145.95,143.05 145.95,170.65 141,175.6 123.15,175.6 93.6,205.15 93.6,250.9 98.8,256.1 100.22,257.42 141.7,298.9 141.7,358.4 151.45,358.4 151.45,393.95 150.95,394.45 142.8,394.45 141.2,396.05 141.2,396.4
P5V on BOTTOM: 12.4,446.3 4.3,446.3 1.45,443.45 1.45,10.8 1.8,10.45 3.85,10.45 4.35,10.95 4.35,88.6 4.88,89.12 11.47,89.12 11.7,89.35 11.7,91.4 11.6,91.5 7.2,91.5 7.2,126.2 4.35,129.05 4.35,206.55 5.05,207.25 11.25,207.25 11.65,207.65 11.65,209.1 11.2,209.55 7.95,209.55 7.65,209.85 7.65,215.3 4.35,218.6 4.35,236.15 7.55,239.35 7.55,244.25 4.35,247.45 4.35,324.45 5.22,325.32 11.17,325.32 11.65,325.8 11.65,327.2 11.1,327.75 7.5,327.75 7.1,328.15 7.1,335.5 5.35,337.25 4.35,337.25 4.35,353.8 7.6,357.05 7.6,363.3 4.35,366.55 4.35,443.2 4.95,443.8 11.6,443.8 13.25,445.45
P5V on L5: 86.9,255.55 86.9,272.55 98.7,284.35 108.6,284.35 126.62,302.38 126.62,303.48 127.6,304.45 127.6,329.6 19.75,437.45 19.75,452 11.55,443.8 5,443.8 3.85,444.95 13.2,454.3 20.35,454.3 20.35,437.95 127.9,330.4 127.9,302.95 128.5,303.4 128.5,334 24.05,438.45 88.65,438.45 88.65,404.5 111.05,404.5 111.05,438.5 23.35,438.5 23.35,455.35 158.9,455.35 158.9,442.35 128.65,442.35 127.3,441 127.3,430 128.4,428.9 132.35,428.9 133.2,428.05 133.2,426.75 128.5,426.75 127.3,425.55 127.3,419.65 127.55,419.4 132.5,419.4 133.45,418.45 133.45,417.35 132.6,416.5 127.6,416.5 127.6,400.95 128,400.55 140.9,400.55 141.6,399.85 141.6,398.85 141,398.25 127.2,398.25 127.2,396.15 120.35,389.3 120.35,354.65 130.05,344.95 130.05,301.05 127.99,298.99 127.99,299.01 111.16,282.3 100.45,282.3 91.9,273.75 91.9,260.45 90.7,259.25 89.65,259.25 88,257.6 88,255.55
VDD_CLK40 on L5 (solid shape): outline of 869 points within 109.05,54.3 127.85,80.2
VDD_OSC on L5 (solid shape): outline of 195 points within 129.85,63.4 139.35,81.5
VDDA_CLK40 on L5 (solid shape): outline of 2548 points within 104.35,52.2 139.35,80.2
VDDO_CLK40 on L4 (solid shape): outline of 4336 points within 104.35,52.2 139.35,80.2
VIN_DCDC on L5: 99.5,253.15 99,252.65 99,218.6 100.8,216.8 100.8,213.95 100.7,213.85 98.8,213.85 97.95,213 97.95,210.25 98.15,210.05 100.9,210.05 103.2,212.35 103.2,216.05 99.75,219.5 99.75,249.45 101.05,250.75 101.05,253.15
(no net) on L4: 139.35,80.2 104.35,80.2 104.35,52.2 139.35,52.2
(no net) on L5: 108.65,56.6 108.85,56.4 111.52,53.9 125.15,53.9 125.75,54.4 125.75,55.7 125.15,56.3 113.35,56.3 113.35,70.9 113.95,71.5 120.05,71.5 120.65,70.9 123.95,70.9 124.85,70 124.85,65.6 117.65,65.6 117.65,62.9 118.75,61.8 128.25,61.8 128.65,62.2 128.65,76.5 124.95,80.2 129.75,80.2 129.75,80.1 131.15,78.7 137.15,78.7 138.15,77.7 138.15,69 137.85,68.7 131.45,68.7 131.05,68.3 131.05,66 130.15,65.1 130.15,63.7 130.65,63.2 139.35,63.2 139.35,52.2 104.35,52.2 104.35,80.2 111.35,80.2 111.35,66.9 110.65,66.2 110.65,63.6 108.65,61.6
(no net) on L5: 124.75,80.2 124.75,79.8 127.85,76.7 127.85,63 126.95,62.1 119.25,62.1 118.55,62.8 118.55,64.9 118.75,65.1 125.15,65.1 125.35,65.3 125.35,70.8 124.15,72 114.25,72 112.85,70.6 112.85,55.6 125.25,55.6 125.25,54.3 111.89,54.3 109.05,56.9 109.05,61.1 111.05,63.1 111.05,65.4 111.45,65.8 111.45,70.9 112.25,71.7 112.25,80.2
(no net) on L5: 129.85,80.2 129.85,81.3 130.05,81.5 131.85,81.5 132.05,81.3 132.05,80.2 139.35,80.2 139.35,63.5 139.25,63.4 130.75,63.4 130.35,63.8 130.35,65 131.35,66 131.35,68.3 131.55,68.5 138.05,68.5 138.35,68.8 138.35,77.8 137.35,78.8 131.25,78.8
(no net) on L5: 23,0.5 23,18.1 127.55,122.65 127.55,157.4 123.05,157.4 121.95,156.3 119.35,156.3 118.25,157.4 94.9,157.4 93.8,156.3 91.2,156.3 90.1,157.4 69.97,157.4 59.74,167.63 58.18,167.63 56.35,169.46 56.35,171.02 45,182.37 45,210.2 43.95,211.25 43.95,213.85 45,214.9 45,237.45 43.95,238.5 43.95,241.1 45,242.15 45,277.58 48.48,281.06 48.48,282.62 50.31,284.45 51.87,284.45 69.97,302.55 79.85,302.55 80.95,303.65 83.55,303.65 84.65,302.55 107,302.55 108.1,303.65 110.7,303.65 111.8,302.55 128,302.55 128,334.5 23,439.5 23,455.7 159.5,455.7 159.5,0.5 ; 15 cut-outs
PSG on TOP: 95.45,432.55 95.45,416.5 96.25,416.5 96.25,416.75 96.45,416.95 96.45,417.9 96.7,418.15 97.65,418.15 100.25,420.75 101.65,420.75 101.65,432.55
PSG on L2: 89.15,438 110.5,438 110.5,405 89.15,405
UNNAMED_3_CAPCERSMDCL2_I119_<0> on TOP: 101.75,432.55 101.75,424.8 105.85,424.8 105.85,432.55

## Text on the board
User.Comments: CR_PLACEPOWER_2 | 9/Sept/16 | P.Baesso | D.Cussans | Draft | pc051b 64 Channel ADC+FPGA for SoLiD
Ref Des/Silkscreen Top: 64 Channel | D. Cussans | P. Baesso | Bristol | H.E.P. | pc051b v174 | Oct 2016 | ADC + FPGA | SoLiD
BODY_CENTER: FIGURE | SIZE | 0.2 | 0.3302 | 0.4064 | 0.8128 | 0.85 | 0.9 | 0.9144 | 0.95 | 1.0 | 1.016 | 1.05 | 1.35 | 1.4 | 1.7 | 2.7 | 2.8 | 3.302 | 1.45 | 1.55 | 1.95 | 2.1x0.9 | 2.7x0.9 | DRILL CHART: TOP to BOTTOM | ALL UNITS ARE IN MILLIMETERS | PLATED | NON-PLATED | QTY | 896 | 1367 | 411 | 12 | 2 | 49 | 18 | 400 | 10 | 20 | 4 | 5 | 8 | 6
